# Altium PCB balenaFin_v1_x_x.PcbDoc (part 2 of 7)
Units mm, origin at the board's own origin, x right, y up, seen from the top; angles counter-clockwise.
Board outline 90.03 x 90.03 mm, 8 copper layers (TOP, GND, INT1, INT2, INT3, INT4, POWER, BOTTOM), stack 1.496 mm thick; 502 components, 409 nets, 2324 pads, 1048 vias.
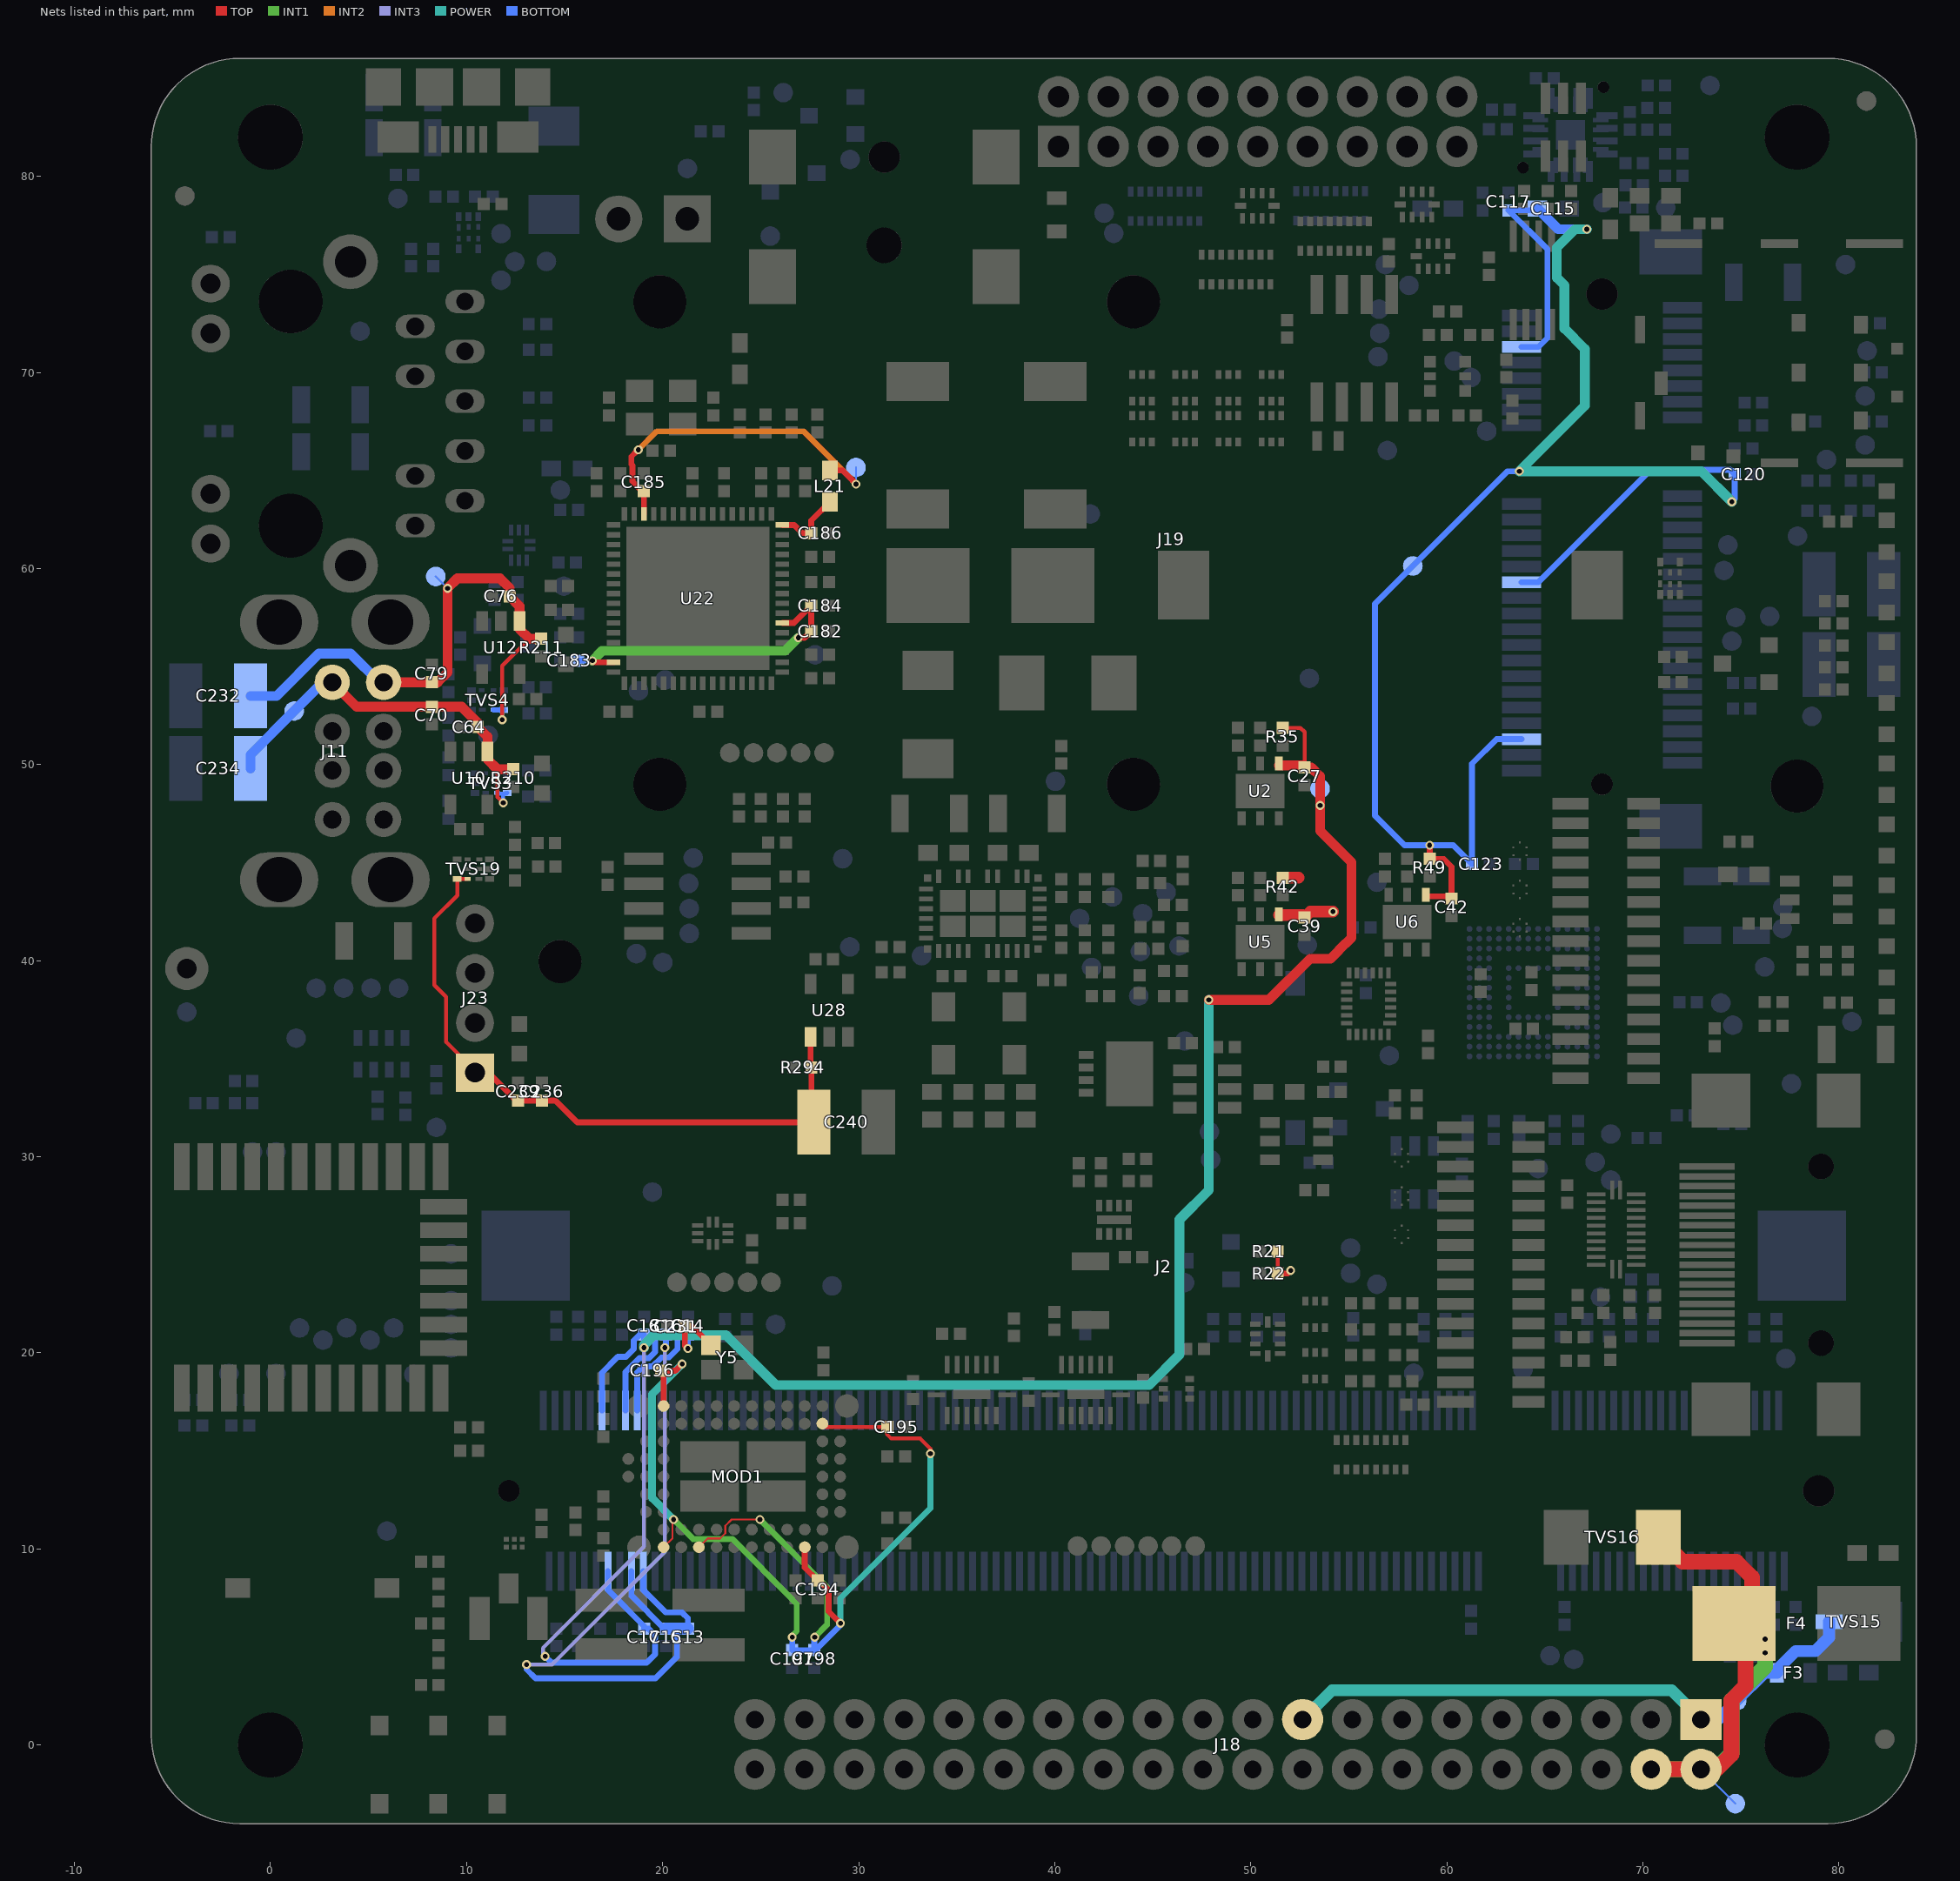
[diagram p8: the nets of this part, all layers, seen from the top]

## Footprints (in the part's own frame and the unit in brackets; to place one, negate y for a bottom-side part, rotate by r counter-clockwise, add the part's x,y. Pads: shape width x height; smd on the part's side, far side on the other; paste and mask are expansions set on the pad) (continued)
LCFE080602G900TG [mm]
  rect 0.1x0.1 smd paste-0.1 mask-0.1: 1(-0.2,-0.34) 2(0.2,-0.33) 3(-0.2,0.34) 4(0.2,0.34) 5(-0.45,0) 6(0.44,0)
  TOP region: -0.305,-0.09 -0.355,-0.09 -0.305,-0.04 -0.305,0.04 -0.335,0.07 -0.355,0.09 -0.555,0.09 -0.555,-0.09
  TOP region: 0.1,0.2 0.1,0.46 0.3,0.46 0.3,0.2 0.3,0.25 0.25,0.2
  TOP region: -0.3,0.25 -0.3,0.46 -0.1,0.46 -0.1,0.2 -0.25,0.2
  TOP region: -0.1,-0.2 -0.1,-0.46 -0.3,-0.46 -0.3,-0.2 -0.3,-0.2 -0.3,-0.25 -0.25,-0.2 -0.3,-0.2
  TOP region: 0.3,-0.25 0.3,-0.46 0.1,-0.46 0.1,-0.2 0.25,-0.2
  TOP region: 0.305,0.09 0.355,0.09 0.305,0.04 0.305,-0.04 0.335,-0.07 0.355,-0.09 0.305,-0.09 0.555,-0.09 0.555,0.09
  body extent -0.59,-0.47 0.31,0.23, height 0.5
LD-0603 [mm] "LD-0603"
  rect 0.8x0.8 smd: 1(-0.75,0) 2(0.75,0)
  body extent -1.45,-0.7 1.45,0.7, height 3.81
LD-PLCC6-GUIDAVLP [mm]
  rect 0.5x1.6 smd: 1(-0.9,-1.475) 2(0,-1.475) 3(0.9,-1.475) 4(0.9,1.475) 5(0,1.475) 6(-0.9,1.475)
  round 0.6 hole 0.6 unplated: ""(-2.05,-2.05) ""(2.05,2.05)
  Multi-Layer keep-out circle w0.025: c2.05,2.05 r0.5
  Multi-Layer keep-out circle w0.025: c-2.05,-2.05 r0.5
  body extent -2.55,-2.55 2.55,2.55, height 3.81
LS-0402 [mm] "LS-0402"
  rect 0.62x0.62 smd: 1(-0.45,0) 2(0.45,0)
  body extent -1.01,-0.56 1.01,0.56, height 3.81
LS-0603 [mm] "LS-0603"
  rect 1x0.8 smd: 1(-0.8,0) 2(0.8,0)
  body extent -1.52,-0.65 1.53,0.65, height 3.81
LS-VIIHLP1212BZ11 [mm] "LS-VIIHLP1212BZ11"
  rect 1.5x1.2 smd: 1(-1.35,0) 2(1.35,0)
  body extent -2.1,-1.7 2.1,1.7, height 3.81
MOD-ARTIK-020 [mm]
  rect 2.4x0.8 smd: 1(1.2,-0.85) 2(1.2,-2.05) 3(1.2,-3.25) 4(1.2,-4.45) 5(1.2,-5.65) 6(1.2,-6.85) 7(1.2,-8.05) 8(1.2,-9.25) 9(1.2,-10.45) 10(1.2,-11.65) 11(1.2,-12.85) 12(1.2,-14.05) 20(12.5,-14.05) 21(12.5,-12.85) 22(12.5,-11.65) 23(12.5,-10.45) 24(12.5,-9.25) 25(12.5,-8.05) 26(12.5,-6.85) 27(12.5,-5.65) 28(12.5,-4.45) 29(12.5,-3.25) 30(12.5,-2.05) 31(12.5,-0.85)
  rect 0.8x2.4 smd: 13(3.25,-14.2) 14(4.45,-14.2) 15(5.65,-14.2) 16(6.85,-14.2) 17(8.05,-14.2) 18(9.25,-14.2) 19(10.45,-14.2)
  Keep-Out Layer region: 3.05,-3.5 10.65,-3.5 10.65,0.3 3.05,0.3
  body extent -0.2,-15.6 13.9,0.2, height 3.81
MOD-WYSBHVGXG [mm] "MOD-WYSBHVGXG"
  round 1.2 smd: A1(-5.3,-3.6) A9(-5.3,3.6) M1(5.3,-3.6) M9(5.3,3.6)
  round 0.6 smd: A3(-4.95,-1.8) A4(-4.95,-0.9) A5(-4.95,0) A6(-4.95,0.9) A7(-4.95,1.8) B1(-4.05,-3.6) B2(-4.05,-2.7) B3(-4.05,-1.8) B4(-4.05,-0.9) B5(-4.05,0) B6(-4.05,0.9) B7(-4.05,1.8) B8(-4.05,2.7) B9(-4.05,3.6) C1(-3.15,-3.6) C2(-3.15,-2.7) C8(-3.15,2.7) C9(-3.15,3.6) D1(-2.25,-3.6) D2(-2.25,-2.7) D8(-2.25,2.7) D9(-2.25,3.6) E1(-1.35,-3.6) E2(-1.35,-2.7) E8(-1.35,2.7) E9(-1.35,3.6) F1(-0.45,-3.6) F2(-0.45,-2.7) F8(-0.45,2.7) F9(-0.45,3.6) G1(0.45,-3.6) G2(0.45,-2.7) G8(0.45,2.7) G9(0.45,3.6) H1(1.35,-3.6) H2(1.35,-2.7) H8(1.35,2.7) H9(1.35,3.6) J1(2.25,-3.6) J2(2.25,-2.7) J8(2.25,2.7) J9(2.25,3.6) K1(3.15,-3.6) K2(3.15,-2.7) K8(3.15,2.7) K9(3.15,3.6) L1(4.05,-3.6) L2(4.05,-2.7) L3(4.05,-1.8) L4(4.05,-0.9) L5(4.05,0) L6(4.05,0.9) L7(4.05,1.8) L8(4.05,2.7) L9(4.05,3.6) M3(4.95,-1.8) M4(4.95,-0.9) M5(4.95,0) M6(4.95,0.9) M7(4.95,1.8) N4(5.85,-0.9) N5(5.85,0)
  rect 3x1.6 smd: E4(-1.7,-1) E6(-1.7,1) H4(1.7,-1) H6(1.7,1)
  body extent -6.5,-4.65 6.5,4.65, height 3.81
MSOP8 [mm] "MSOP8"
  rect 1.6x0.35 smd: 1(-2.3,1) 2(-2.3,0.35) 3(-2.3,-0.3) 4(-2.3,-0.95) 5(2.2,-0.95) 6(2.2,-0.3) 7(2.2,0.35) 8(2.2,1)
  body extent -3.15,-1.5 3.05,1.55, height 3.81
POWERVDFN8-0330X0330 [mm] "POWERVDFN8-0330X0330"
  rect 0.4x0.75 smd mask+0.13: 1(-0.975,-1.525) 2(-0.325,-1.525) 3(0.325,-1.525) 4(0.975,-1.525)
  rect 3.31x2.4 smd: 5(0,0.7)
  body extent -1.96,-2.1 1.96,2.1, height 3.81
QFN16-EXP-3X3-4X4 [mm]
  rect 0.24x0.8 smd: 1(0.75,1.55) 2(0.25,1.55) 3(-0.25,1.55) 4(-0.75,1.55) 9(-0.75,-1.55) 10(-0.25,-1.55) 11(0.25,-1.55) 12(0.75,-1.55)
  rect 0.355x1.075 smd: 1(0.975,1.863) 2(0.325,1.863) 3(-0.325,1.863) 4(-0.975,1.863) 9(-0.975,-1.863) 10(-0.325,-1.863) 11(0.325,-1.863) 12(0.975,-1.863)
  rect 1.075x0.355 smd: 5(-1.863,0.975) 6(-1.863,0.325) 7(-1.863,-0.325) 8(-1.863,-0.975) 13(1.863,-0.975) 14(1.863,-0.325) 15(1.863,0.325) 16(1.863,0.975)
  rect 0.8x0.24 smd: 5(-1.55,0.75) 6(-1.55,0.25) 7(-1.55,-0.25) 8(-1.55,-0.75) 13(1.55,-0.75) 14(1.55,-0.25) 15(1.55,0.25) 16(1.55,0.75)
  rect 1.5x1.5 smd: 17(0,0)
  body extent -2.05,-2.05 2.04,2.04, height 0.99
RR-8X-1506#1 [mm] "RR-8X-1506"
  rect 0.3x0.5 smd: 1(1.75,0.75) 2(1.25,0.75) 3(0.75,0.75) 4(0.25,0.75) 5(-0.25,0.75) 6(-0.75,0.75) 7(-1.25,0.75) 8(-1.75,0.75) 9(-1.75,-0.75) 10(-1.25,-0.75) 11(-0.75,-0.75) 12(-0.25,-0.75) 13(0.25,-0.75) 14(0.75,-0.75) 15(1.25,-0.75) 16(1.75,-0.75)
  body extent -2.15,-1.25 2.15,1.25, height 3.81
RR-8X-1506#2 [mm] "RR-8X-1506"
  rect 0.3x0.5 smd: 1(-1.75,-0.75) 2(-1.25,-0.75) 3(-0.75,-0.75) 4(-0.25,-0.75) 5(0.25,-0.75) 6(0.75,-0.75) 7(1.25,-0.75) 8(1.75,-0.75) 9(1.75,0.75) 10(1.25,0.75) 11(0.75,0.75) 12(0.25,0.75) 13(-0.25,0.75) 14(-0.75,0.75) 15(-1.25,0.75) 16(-1.75,0.75)
  body extent -2.15,-1.25 2.15,1.25, height 3.81
RR-1206 [mm] "RR-1206"
  rect 0.45x0.8 smd: 1(0,0) 2(-0.8,0) 3(-1.6,0) 4(-2.4,0) 5(-2.4,-1.6) 6(-1.6,-1.6) 7(-0.8,-1.6) 8(0,-1.6)
  body extent -3.2,-2.3 0.8,0.7, height 3.81
RS-0402#1 [mm] "RS-0402"
  rect 0.62x0.62 smd: 1(-0.45,0) 2(0.45,0)
  body extent -1.01,-0.56 1.01,0.56, height 3.81
RS-0402#2 [mm] "RS-0402"
  rect 0.62x0.62 smd: 1(0.45,0) 2(-0.45,0)
  body extent -1.01,-0.56 1.01,0.56, height 3.81
RS-0603 [mm] "RS-0603"
  rect 1x0.8 smd: 1(-0.8,0) 2(0.8,0)
RS-1206#1 [mm] "RS-1206"
  rect 0.9x1.9 smd: 1(-1.5,0) 2(1.5,0)
  body extent -2.25,-1.15 2.25,1.15, height 3.81
RS-1206#2 [mm] "RS-1206"
  rect 0.9x1.9 smd: 1(1.5,0) 2(-1.5,0)
  body extent -2.25,-1.15 2.25,1.15, height 3.81
SMA [mm] "SMA"
  rect 2x2.6 smd: 1(0,0) 2(4.5,0)
  body extent -1.5,-1.8 6,1.8, height 3.81
SMB [mm] "SMB"
  rect 2.3x2.8 smd: 1(0,0) 2(4.7,0)
  body extent -1.15,-2.2 5.85,2.2, height 3.81
SMC [mm] "SMC"
  rect 2x3.2 smd: 1(-3.25,0) 2(3.25,0)
  body extent -4.35,-3.2 4.35,3.4, height 3.81
SOIC8 [mil] "SOIC8"
  rect 25x78.87 smd: 1(0,0) 2(50,0) 3(100,0) 4(150,0) 5(150,216) 6(100,216) 7(50,216) 8(0,216)
  body extent -27,-43 185,259, height 150
SOP5_USON6 [mm]
  rect 0.45x0.3 smd mask+0: 1(-0.825,0.5) 2(-0.825,0) 3(-0.825,-0.5) 4(0.825,-0.5) 5(0.825,0.5)
  rect 0.35x0.2 smd mask+0: 1(-0.275,0.5)
  rect 0.3x0.2 smd mask+0: 2(-0.3,0) 3(-0.3,-0.5) 4(0.3,-0.5) 5(0.3,0.5) 6(0.3,0)
  body extent -0.8,-0.8 0.8,0.8, height 0.6
SOT23#1 [mm] "SOT23"
  rect 0.9x0.8 smd: 1(0,0) 2(0,1.9)
  rect 0.9x0.8 smd mask+0.12: 3(-2.37,0.95)
  body extent -2.87,-0.7 0.5,2.6, height 3.81
SOT23#2 [mm] "SOT23"
  rect 0.9x0.8 smd: 1(0,0) 2(0,1.9) 3(-2.37,0.95)
  body extent -2.87,-0.7 0.5,2.6, height 3.81
SOT23#3 [mm] "SOT23"
  rect 0.9x0.8 smd: 1(0,0) 2(0,-1.9) 3(2.37,-0.95)
  body extent -0.5,-2.6 2.87,0.7, height 3.81
SOT23-5 [mm] "SOT23-5"
  rect 0.6x1 smd: 1(0,0) 2(0.95,0) 3(1.9,0) 4(1.9,2.7) 5(0,2.7)
  body extent -0.55,-0.5 2.45,3.2, height 3.81
SOT23-6-DBV#1 [mm] "SOT23-6-DBV"
  rect 0.55x1 smd: 1(-0.95,-1.35) 2(0,-1.35) 3(0.95,-1.35) 4(0.95,1.35) 5(0,1.35) 6(-0.95,1.35)
  body extent -1.73,-1.95 1.73,1.95, height 3.81
SOT23-6-DBV#2 [mm] "SOT23-6-DBV"
  rect 0.55x1 smd: 1(0.95,1.35) 2(0,1.35) 3(-0.95,1.35) 4(-0.95,-1.35) 5(0,-1.35) 6(0.95,-1.35)
  body extent -1.72,-1.95 1.73,1.95, height 3.81
SOT23-6L [mm] "SOT23-6L"
  rect 0.6x1.2 smd: 1(0,0) 2(0.95,0) 3(1.9,0) 4(1.9,2.3) 5(0.95,2.3) 6(0,2.3)
  body extent -0.6,-0.6 2.5,2.9, height 3.81
SOT363 [mm] "SOT363"
  rect 0.6x0.6 smd mask+0.13: 1(-0.9,0.75) 3(-0.9,-0.75) 4(0.9,-0.75) 6(0.9,0.75)
  rect 0.6x0.4 smd mask+0.13: 2(-0.9,0) 5(0.9,0)
  body extent -1.53,-1.38 1.52,1.38, height 3.81
SOT563 [mm] "SOT563"
  rect 0.3x0.45 smd: 1(-0.5,-0.675) 2(0,-0.675) 3(0.5,-0.675) 4(0.5,0.675) 5(0,0.675) 6(-0.5,0.675)
  body extent -1,-0.95 1,0.95, height 3.81
TPS-0100#1 [mm] "TPS-0100"
  round 1 smd: 1(0,0)
TPS-0100#2 [mm] "TPS-0100"
  round 1 smd mask+0.13: 1(0,0)
  body extent -0.6,-0.6 0.6,0.6, height 3.81
TPT-0100 [mm] "TPT-0100"
  round 2.2 hole 1: 1(0,0)
UFDFN8-EXP-0210X0160 [mm] "UFDFN8-EXP-0210X0160"
  rect 0.3x0.6 smd: 1(-0.75,-0.725) 2(-0.25,-0.725) 3(0.25,-0.725) 4(0.75,-0.725) 5(0.75,0.725) 6(0.25,0.725) 7(-0.25,0.725) 8(-0.75,0.725)
  rect 1.75x0.45 smd: 9(0,0)
  body extent -1.3,-1.25 1.3,1.25, height 3.81
UFQFN10 [mm] "UFQFN10"
  rect 0.25x0.53 smd mask+0.13: 1(0.75,0.64) 2(0.25,0.64) 3(-0.25,0.64) 4(-0.75,0.64) 6(-0.75,-0.64) 7(-0.25,-0.64) 8(0.25,-0.64) 9(0.75,-0.64)
  rect 0.58x0.3 smd mask+0.13: 5(-0.86,0) 10(0.86,0)
  body extent -1.22,-0.98 1.23,0.97, height 3.81
UFQFN24-4X2 [mm] "UFQFN24-4X2"
  rect 0.2x0.95 smd: 1(-1.8,-1.025) 2(-1.4,-1.025) 3(-1,-1.025) 4(-0.6,-1.025) 5(-0.2,-1.025) 6(0.2,-1.025) 7(0.6,-1.025) 8(1,-1.025) 9(1.4,-1.025) 10(1.8,-1.025) 13(1.8,1.025) 14(1.4,1.025) 15(1,1.025) 16(0.6,1.025) 17(0.2,1.025) 18(-0.2,1.025) 19(-0.6,1.025) 20(-1,1.025) 21(-1.4,1.025) 22(-1.8,1.025)
  rect 0.95x0.2 smd mask+0.15: 11(2.025,-0.2) 12(2.025,0.2) 23(-2.025,0.2) 24(-2.025,-0.2)
  body extent -2.55,-1.55 2.55,1.55, height 3.81
UFQFN24-0250X0340 [mm] "UFQFN24-0250X0340"
  rect 0.663x0.225 smd: 1(-1.068,1)
  rect 0.563x0.225 smd: 2(-1.118,0.6) 3(-1.118,0.2) 4(-1.118,-0.2) 5(-1.118,-0.6) 6(-1.118,-1) 13(1.119,-1) 14(1.119,-0.6) 15(1.119,-0.2) 16(1.119,0.2) 17(1.119,0.6) 18(1.119,1)
  rect 0.225x0.563 smd: 7(-1,-1.568) 8(-0.6,-1.568) 9(-0.2,-1.568) 10(0.2,-1.568) 11(0.6,-1.568) 12(1,-1.568) 19(1,1.569) 20(0.6,1.569) 21(0.2,1.569) 22(-0.2,1.569) 23(-0.6,1.569) 24(-1,1.569)
  body extent -1.45,-1.9 1.45,1.9, height 3.81
UMLP10 [mm] "UMLP10"
  rect 0.563x0.225 smd: 1(-0.568,0.2) 2(-0.568,-0.2) 6(0.569,-0.2) 7(0.569,0.2)
  rect 0.225x0.563 smd: 3(-0.4,-0.768) 4(0,-0.768) 5(0.4,-0.768) 8(0.4,0.768) 9(0,0.768) 10(-0.4,0.768)
  body extent -1.1,-1.3 1.1,1.3, height 3.81
VFBGA153 [mm] "VFBGA153"
  round 0.3 smd: A1(-3.25,3.25) A2(-2.75,3.25) A3(-2.25,3.25) A4(-1.75,3.25) A5(-1.25,3.25) A6(-0.75,3.25) A7(-0.25,3.25) A8(0.25,3.25) A9(0.75,3.25) A10(1.25,3.25) A11(1.75,3.25) A12(2.25,3.25) A13(2.75,3.25) A14(3.25,3.25) B1(-3.25,2.75) B2(-2.75,2.75) B3(-2.25,2.75) B4(-1.75,2.75) B5(-1.25,2.75) B6(-0.75,2.75) B7(-0.25,2.75) B8(0.25,2.75) B9(0.75,2.75) B10(1.25,2.75) B11(1.75,2.75) B12(2.25,2.75) B13(2.75,2.75) B14(3.25,2.75) C1(-3.25,2.25) C2(-2.75,2.25) C3(-2.25,2.25) C4(-1.75,2.25) C5(-1.25,2.25) C6(-0.75,2.25) C7(-0.25,2.25) C8(0.25,2.25) C9(0.75,2.25) C10(1.25,2.25) C11(1.75,2.25) C12(2.25,2.25) C13(2.75,2.25) C14(3.25,2.25) D1(-3.25,1.75) D2(-2.75,1.75) D3(-2.25,1.75) D4(-1.75,1.75) D12(2.25,1.75) D13(2.75,1.75) D14(3.25,1.75) E1(-3.25,1.25) E2(-2.75,1.25) E3(-2.25,1.25) E5(-1.25,1.25) E6(-0.75,1.25) E7(-0.25,1.25) E8(0.25,1.25) E9(0.75,1.25) E10(1.25,1.25) E12(2.25,1.25) E13(2.75,1.25) E14(3.25,1.25) F1(-3.25,0.75) F2(-2.75,0.75) F3(-2.25,0.75) F5(-1.25,0.75) F10(1.25,0.75) F12(2.25,0.75) F13(2.75,0.75) F14(3.25,0.75) G1(-3.25,0.25) G2(-2.75,0.25) G3(-2.25,0.25) G5(-1.25,0.25) G10(1.25,0.25) G12(2.25,0.25) G13(2.75,0.25) G14(3.25,0.25) H1(-3.25,-0.25) H2(-2.75,-0.25) H3(-2.25,-0.25) H5(-1.25,-0.25) H10(1.25,-0.25) H12(2.25,-0.25) H13(2.75,-0.25) H14(3.25,-0.25) J1(-3.25,-0.75) J2(-2.75,-0.75) J3(-2.25,-0.75) J5(-1.25,-0.75) J10(1.25,-0.75) J12(2.25,-0.75) J13(2.75,-0.75) J14(3.25,-0.75) K1(-3.25,-1.25) K2(-2.75,-1.25) K3(-2.25,-1.25) K5(-1.25,-1.25) K6(-0.75,-1.25) K7(-0.25,-1.25) K8(0.25,-1.25) K9(0.75,-1.25) K10(1.25,-1.25) K12(2.25,-1.25) K13(2.75,-1.25) K14(3.25,-1.25) L1(-3.25,-1.75) L2(-2.75,-1.75) L3(-2.25,-1.75) L12(2.25,-1.75) L13(2.75,-1.75) L14(3.25,-1.75) M1(-3.25,-2.25) M2(-2.75,-2.25) M3(-2.25,-2.25) M4(-1.75,-2.25) M5(-1.25,-2.25) M6(-0.75,-2.25) M7(-0.25,-2.25) M8(0.25,-2.25) M9(0.75,-2.25) M10(1.25,-2.25) M11(1.75,-2.25) M12(2.25,-2.25) M13(2.75,-2.25) M14(3.25,-2.25) N1(-3.25,-2.75) N2(-2.75,-2.75) N3(-2.25,-2.75) N4(-1.75,-2.75) N5(-1.25,-2.75) N6(-0.75,-2.75) N7(-0.25,-2.75) N8(0.25,-2.75) N9(0.75,-2.75) N10(1.25,-2.75) N11(1.75,-2.75) N12(2.25,-2.75) N13(2.75,-2.75) N14(3.25,-2.75) P1(-3.25,-3.25) P2(-2.75,-3.25) P3(-2.25,-3.25) P4(-1.75,-3.25) P5(-1.25,-3.25) P6(-0.75,-3.25) P7(-0.25,-3.25) P8(0.25,-3.25) P9(0.75,-3.25) P10(1.25,-3.25) P11(1.75,-3.25) P12(2.25,-3.25) P13(2.75,-3.25) P14(3.25,-3.25)
  TOP keep-out region: 4.05,-5.95 4.05,-5.45 4.55,-5.45 4.55,-2.55 5.45,-2.55 5.45,-5.95 4.05,-5.95
  TOP keep-out region: -4.05,5.95 -4.05,5.45 -4.55,5.45 -4.55,2.55 -5.45,2.55 -5.45,5.95 -4.05,5.95
  TOP keep-out region: 4.05,5.95 4.05,5.45 4.55,5.45 4.55,2.55 5.45,2.55 5.45,5.95 4.05,5.95
  TOP keep-out region: -4.05,-5.95 -4.05,-5.45 -4.55,-5.45 -4.55,-2.55 -5.45,-2.55 -5.45,-5.95 -4.05,-5.95
  TOP keep-out region: -4.05,5.95 -4.05,5.45 -4.55,5.45 -4.55,2.55 -5.45,2.55 -5.45,5.95 -4.05,5.95
  TOP keep-out region: 4.05,5.95 4.05,5.45 4.55,5.45 4.55,2.55 5.45,2.55 5.45,5.95 4.05,5.95
  TOP keep-out region: -4.05,-5.95 -4.05,-5.45 -4.55,-5.45 -4.55,-2.55 -5.45,-2.55 -5.45,-5.95 -4.05,-5.95
  TOP keep-out region: 4.05,-5.95 4.05,-5.45 4.55,-5.45 4.55,-2.55 5.45,-2.55 5.45,-5.95 4.05,-5.95
  body extent -5.95,-6.7 5.95,6.7, height 3.81
VFQFN16-EXP-0250X0300#1 [mm] "VFQFN16-EXP-0250X0300"
  rect 0.9x0.24 smd mask+0.15: 1(-1.8,-0.25) 8(1.8,-0.25) 9(1.8,0.25) 16(-1.8,0.25)
  rect 0.24x0.9 smd mask+0.15: 2(-1.25,-1.3) 3(-0.75,-1.3) 4(-0.25,-1.3) 5(0.25,-1.3) 6(0.75,-1.3) 7(1.25,-1.3) 10(1.25,1.3) 11(0.75,1.3) 12(0.25,1.3) 13(-0.25,1.3) 14(-0.75,1.3) 15(-1.25,1.3)
  rect 1.9x0.9 smd: 17(0,0)
  body extent -2.25,-1.75 2.25,1.75, height 3.81
VFQFN16-EXP-0250X0300#2 [mm] "VFQFN16-EXP-0250X0300"
  rect 0.9x0.24 smd mask+0.15: 1(-1.8,-0.25) 8(1.8,-0.25) 9(1.8,0.25) 16(-1.8,0.25)
  rect 0.24x0.9 smd mask+0.15: 2(-1.25,-1.3) 3(-0.75,-1.3) 4(-0.25,-1.3) 5(0.25,-1.3) 6(0.75,-1.3) 7(1.25,-1.3) 10(1.25,1.3) 11(0.75,1.3) 12(0.25,1.3) 13(-0.25,1.3) 14(-0.75,1.3)
  rect 0.24x0.9 smd mask+0.12: 15(-1.25,1.3)
  rect 1.9x0.9 smd: 17(0,0)
  body extent -2.25,-1.75 2.25,1.75, height 3.81
XFDFN6 [mm] "XFDFN6"
  rect 0.25x0.25 smd: 1(0.4,0.2) 2(0,0.2) 3(-0.4,0.2) 4(-0.4,-0.2) 5(0,-0.2) 6(0.4,-0.2)
  body extent -0.75,-0.55 0.75,0.55, height 3.81
Y-ABM8G [mm] "Y-ABM8G"
  rect 1.4x1.15 smd: 1(-1.1,-0.8) 2(1.1,-0.8) 3(1.1,0.9) 4(-1.1,0.9)
  body extent -2.1,-1.7 2.1,1.7, height 3.81
Y-ABS05 [mm] "Y-ABS05"
  rect 0.5x1 smd: 1(-0.55,0) 2(0.55,0)
  body extent -1,-0.7 1,0.7, height 3.81
Y-NZ2520S [mm] "Y-NZ2520S"
  rect 1x1 smd mask+0.13: 1(-0.825,-0.625) 2(0.825,-0.625) 3(0.825,0.625) 4(-0.825,0.625)
  body extent -1.53,-1.33 1.52,1.32, height 3.81
